# Altium PCB LPCB235R0.PcbDoc (part 1 of 7) (continued)
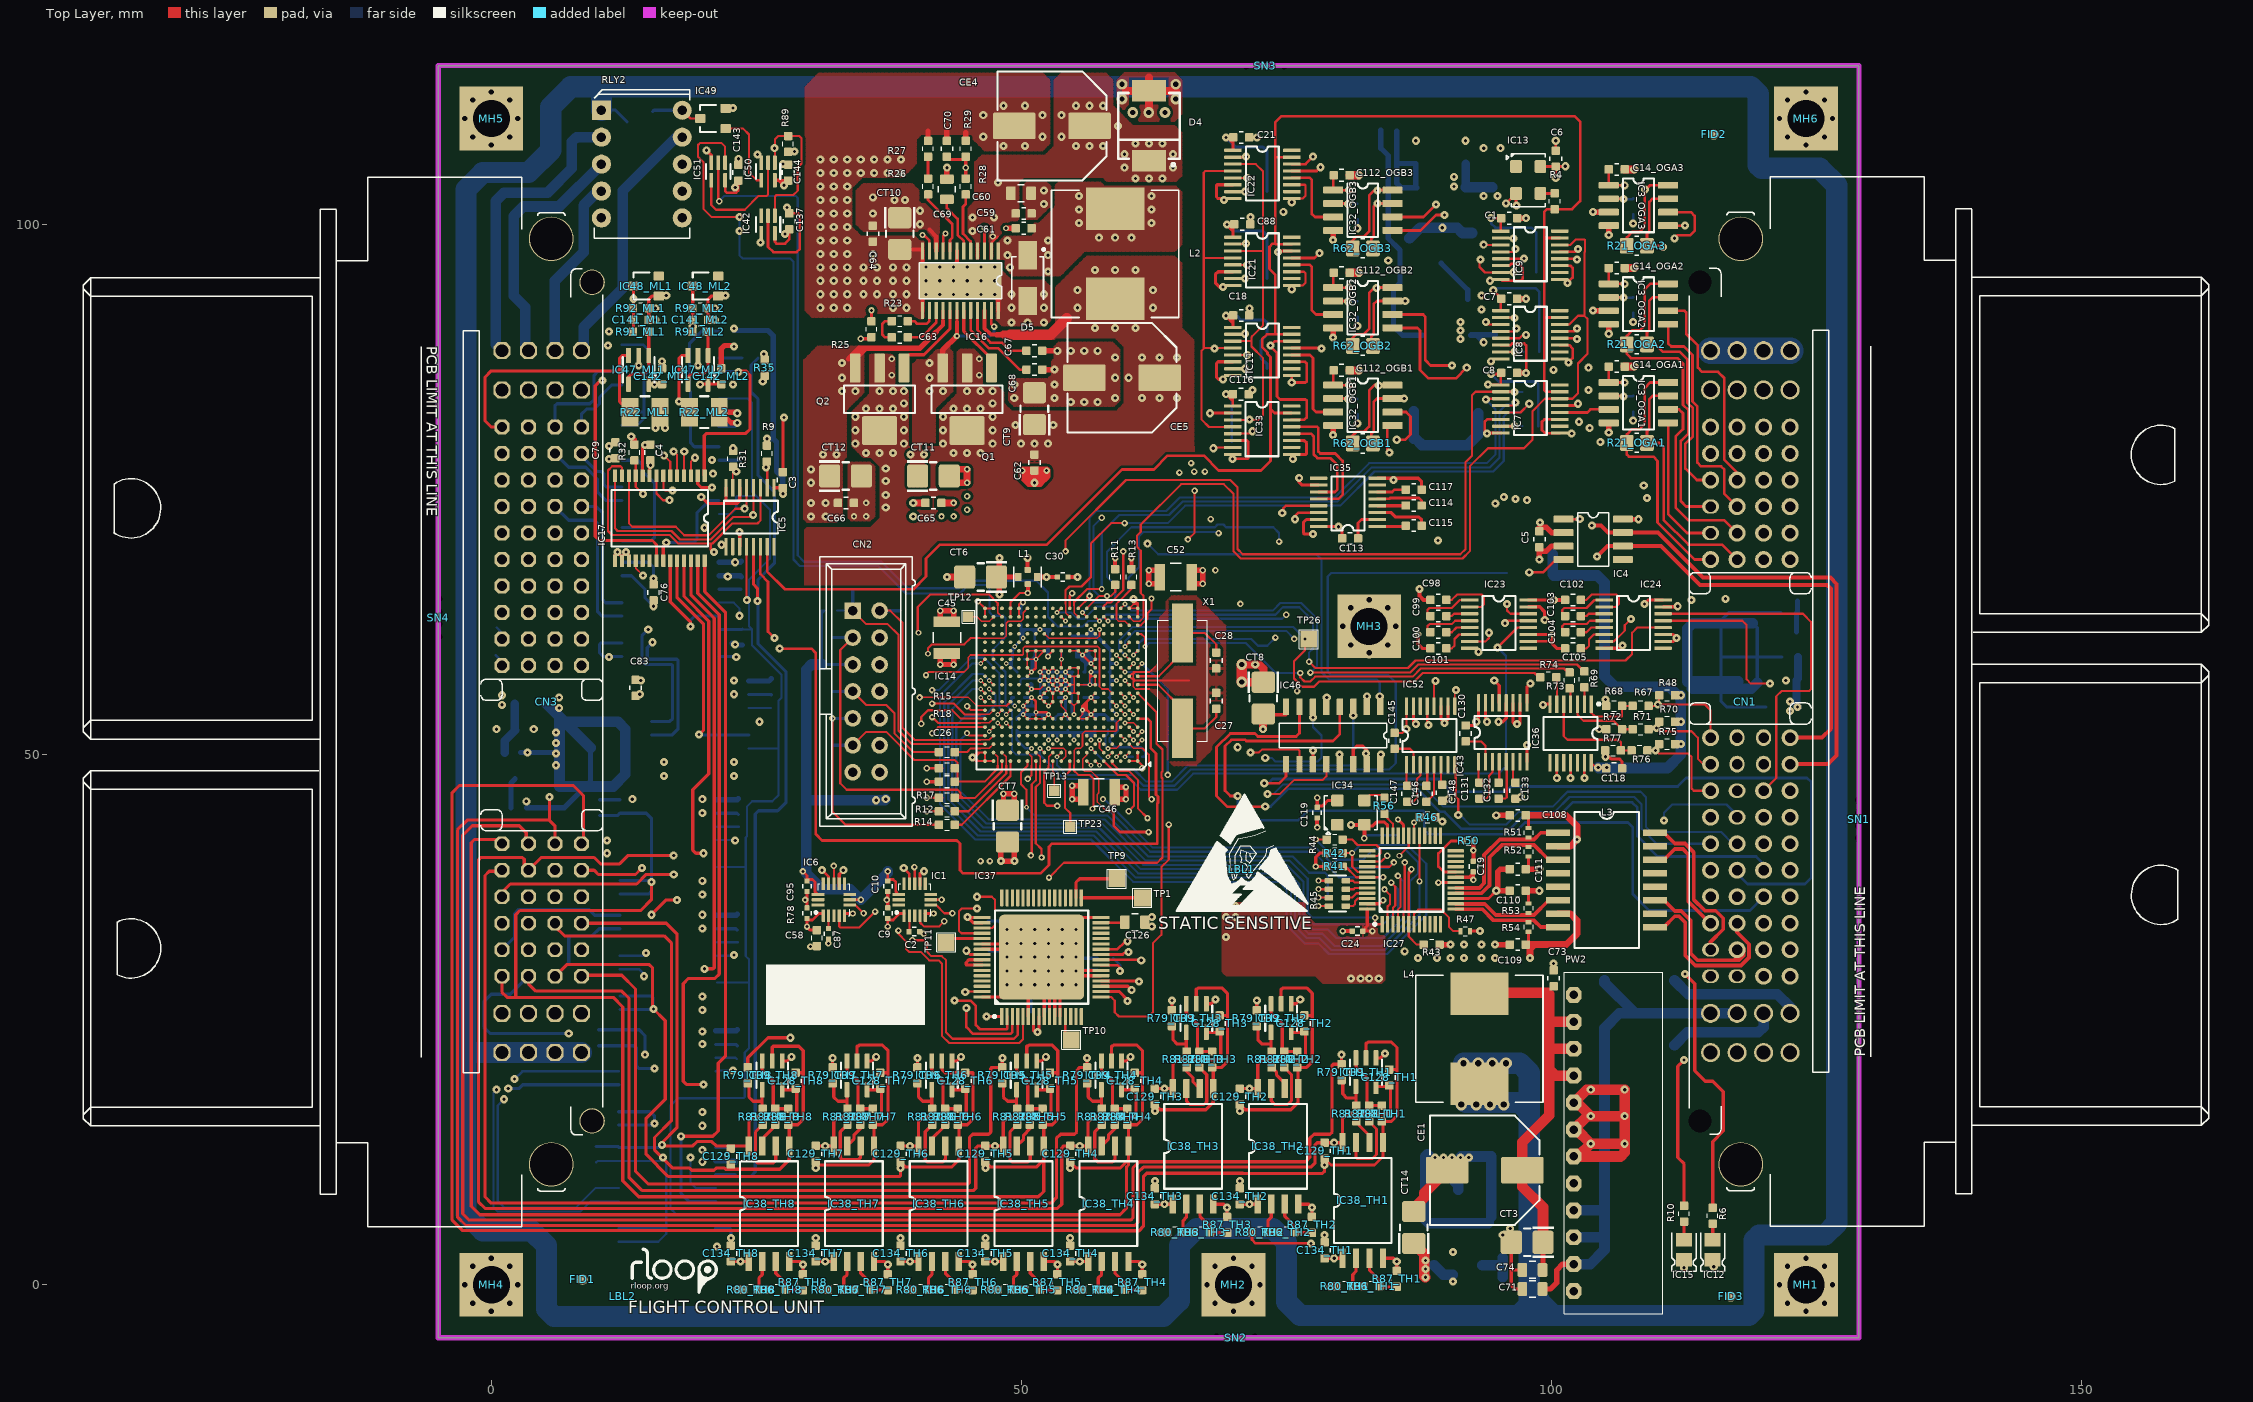
[diagram p0: Top Layer view]
## Components (designator, comment, footprint, x,y, rotation, side; value= is the part's Value field where it differs from the comment)
C1 "100nF / 50V / 10% / SMD 0603" LFP011__CC1608-0603-IPC7351_B 96,100.6 r0 top
C2 "100n / 6.3V / 10% / SMD 0402" LFP012__CC1005-0402-IPC7351_B 39.9,33.3 r0 top
C3 "100nF / 50V / 10% / SMD 0603" LFP011__CC1608-0603-IPC7351_B 27.5,75.9 r90 top
C4 "100nF / 50V / 10% / SMD 0603" LFP011__CC1608-0603-IPC7351_B 15,78.5 r90 top
C5 "100nF / 50V / 10% / SMD 0603" LFP011__CC1608-0603-IPC7351_B 98.85,70.311 r90 top
C6 "100nF / 50V / 10% / SMD 0603" LFP011__CC1608-0603-IPC7351_B 100.4,106.2 r90 top
C7 "100nF / 50V / 10% / SMD 0603" LFP011__CC1608-0603-IPC7351_B 96,93 r0 top
C8 "100nF / 50V / 10% / SMD 0603" LFP011__CC1608-0603-IPC7351_B 96,86 r0 top
C9 "100n / 6.3V / 10% / SMD 0402" LFP012__CC1005-0402-IPC7351_B 37.395,35.046 r90 top
C10 "100n / 6.3V / 10% / SMD 0402" LFP012__CC1005-0402-IPC7351_B 37.395,37.586 r270 top
C11 "100nF / 50V / 10% / SMD 0603" LFP011__CC1608-0603-IPC7351_B 87.2,106.5 r90 bottom
C12 "100nF / 50V / 10% / SMD 0603" LFP011__CC1608-0603-IPC7351_B 91.9,106.5 r90 bottom
C13 "100uF / 6.3V / X5R / 10% / SMD 1210" LFP013__CC3225-1210-IPC7351_B 94.4,105 r90 bottom
C14_OGA1 "100nF / 50V / 10% / SMD 0603" LFP011__CC1608-0603-IPC7351_B 106.15,86.6 r0 top (schematic designator C14)
C14_OGA2 "100nF / 50V / 10% / SMD 0603" LFP011__CC1608-0603-IPC7351_B 106.15,95.9 r0 top (schematic designator C14)
C14_OGA3 "100nF / 50V / 10% / SMD 0603" LFP011__CC1608-0603-IPC7351_B 106.15,105.2 r0 top (schematic designator C14)
C15 "100nF / 50V / 10% / SMD 0603" LFP011__CC1608-0603-IPC7351_B 87.8,92.2 r90 bottom
C16 "100nF / 50V / 10% / SMD 0603" LFP011__CC1608-0603-IPC7351_B 92.1,92.2 r90 bottom
C17 "100uF / 6.3V / X5R / 10% / SMD 1210" LFP013__CC3225-1210-IPC7351_B 94.7,91.1 r90 bottom
C18 "100nF / 50V / 10% / SMD 0603" LFP011__CC1608-0603-IPC7351_B 70.725,91.425 r0 top
C19 "100n / 6.3V / 10% / SMD 0402" LFP012__CC1005-0402-IPC7351_B 92.627,39.45 r90 top
C20 "100nF / 50V / 10% / SMD 0603" LFP011__CC1608-0603-IPC7351_B 95.4,3.3 r90 bottom
C21 "100nF / 50V / 10% / SMD 0603" LFP011__CC1608-0603-IPC7351_B 70.725,108.225 r0 top
C22 "100nF / 50V / 10% / SMD 0603" LFP011__CC1608-0603-IPC7351_B 23.6,89.2 r270 bottom
C23 "100nF / 50V / 10% / SMD 0603" LFP011__CC1608-0603-IPC7351_B 23.6,67.5 r270 bottom
C24 "100n / 6.3V / 10% / SMD 0402" LFP012__CC1005-0402-IPC7351_B 81.705,33.354 r180 top
C26 "10pF / 50V / 5% / SMD 0603" LFP011__CC1608-0603-IPC7351_B 42.97,47.451 r180 top
C27 "10pF / 50V / 5% / SMD 0603" LFP011__CC1608-0603-IPC7351_B 68.37,55.071 r90 top
C28 "10pF / 50V / 5% / SMD 0603" LFP011__CC1608-0603-IPC7351_B 68.37,58.881 r90 top
C29 "100n / 6.3V / 10% / SMD 0402" LFP012__CC1005-0402-IPC7351_B 52.495,60.405 r90 bottom
C30 "10nF / 25V / 5% / SMD 0402" LFP012__CC1005-0402-IPC7351_B 53.892,66.755 r0 top
C31 "100n / 6.3V / 10% / SMD 0402" LFP012__CC1005-0402-IPC7351_B 49.955,62.818 r270 bottom
C32 "100n / 6.3V / 10% / SMD 0402" LFP012__CC1005-0402-IPC7351_B 55.365,56.595 r180 bottom
C33 "100n / 6.3V / 10% / SMD 0402" LFP012__CC1005-0402-IPC7351_B 53.765,60.395 r90 bottom
C34 "100n / 6.3V / 10% / SMD 0402" LFP012__CC1005-0402-IPC7351_B 57.765,56.595 r0 bottom
C35 "100n / 6.3V / 10% / SMD 0402" LFP012__CC1005-0402-IPC7351_B 57.765,57.795 r0 bottom
C36 "100n / 6.3V / 10% / SMD 0402" LFP012__CC1005-0402-IPC7351_B 56.965,52.795 r270 bottom
C37 "100n / 6.3V / 10% / SMD 0402" LFP012__CC1005-0402-IPC7351_B 55.765,52.795 r270 bottom
C38 "100n / 6.3V / 10% / SMD 0402" LFP012__CC1005-0402-IPC7351_B 51.965,52.795 r270 bottom
C39 "100n / 6.3V / 10% / SMD 0402" LFP012__CC1005-0402-IPC7351_B 49.765,55.395 r180 bottom
C40 "100n / 6.3V / 10% / SMD 0402" LFP012__CC1005-0402-IPC7351_B 55.365,55.395 r180 bottom
C41 "100n / 6.3V / 10% / SMD 0402" LFP012__CC1005-0402-IPC7351_B 54.357,52.795 r270 bottom
C42 "100n / 6.3V / 10% / SMD 0402" LFP012__CC1005-0402-IPC7351_B 50.4,56.6 r180 bottom
C43 "100n / 6.3V / 10% / SMD 0402" LFP012__CC1005-0402-IPC7351_B 53.184,52.795 r270 bottom
C44 "100n / 6.3V / 10% / SMD 0402" LFP012__CC1005-0402-IPC7351_B 52.965,55.395 r180 bottom
C45 "100uF / 6.3V / X5R / 10% / SMD 1210" LFP013__CC3225-1210-IPC7351_B 42.97,61.04 r90 top
C46 "100uF / 6.3V / X5R / 10% / SMD 1210" LFP013__CC3225-1210-IPC7351_B 57.321,46.435 r0 top
C47 "100n / 6.3V / 10% / SMD 0402" LFP012__CC1005-0402-IPC7351_B 55.365,57.795 r180 bottom
C48 "100n / 6.3V / 10% / SMD 0402" LFP012__CC1005-0402-IPC7351_B 50.765,52.795 r270 bottom
C49 "100n / 6.3V / 10% / SMD 0402" LFP012__CC1005-0402-IPC7351_B 49.7,52.7 r270 bottom
C50 "100n / 6.3V / 10% / SMD 0402" LFP012__CC1005-0402-IPC7351_B 50.1,57.8 r180 bottom
C51 "100n / 6.3V / 10% / SMD 0402" LFP012__CC1005-0402-IPC7351_B 49.765,58.995 r180 bottom
C52 "100uF / 6.3V / X5R / 10% / SMD 1210" LFP013__CC3225-1210-IPC7351_B 64.56,66.755 r0 top
C53 "100n / 6.3V / 10% / SMD 0402" LFP012__CC1005-0402-IPC7351_B 51.265,60.395 r90 bottom
C54 "100n / 6.3V / 10% / SMD 0402" LFP012__CC1005-0402-IPC7351_B 56.365,60.395 r90 bottom
C55 "10nF / 25V / 5% / SMD 0402" LFP012__CC1005-0402-IPC7351_B 57.765,58.995 r0 bottom
C56 "10nF / 25V / 5% / SMD 0402" LFP012__CC1005-0402-IPC7351_B 57.765,55.395 r0 bottom
C57 "100n / 6.3V / 10% / SMD 0402" LFP012__CC1005-0402-IPC7351_B 55.165,60.395 r90 bottom
C58 "100n / 6.3V / 10% / SMD 0402" LFP012__CC1005-0402-IPC7351_B 29.775,35.046 r90 top
C59 "100nF / 50V / 10% / SMD 0603" LFP011__CC1608-0603-IPC7351_B 50.209,101.045 r0 top
C60 "1uF / 50V / 10% / SMD 0805" LFP010__CC2012-0805-IPC7351_B 49.955,102.95 r0 top
C61 "100nF / 50V / 10% / SMD 0603" LFP011__CC1608-0603-IPC7351_B 50.209,99.648 r180 top
C62 "100nF / 50V / 10% / SMD 0603" LFP011__CC1608-0603-IPC7351_B 51.225,77.55 r90 top
C63 "470pF / 50V / 10% / X7R / SMD 0603" LFP011__CC1608-0603-IPC7351_B 38.525,89.361 r180 top
C64 "100nF / 50V / 10% / SMD 0603" LFP011__CC1608-0603-IPC7351_B 35.985,99.14 r270 top
C65 "100nF / 50V / 10% / SMD 0603" LFP011__CC1608-0603-IPC7351_B 41.7,73.74 r0 top
C66 "100nF / 50V / 10% / SMD 0603" LFP011__CC1608-0603-IPC7351_B 33.445,73.74 r0 top
C67 "100nF / 50V / 10% / SMD 0603" LFP011__CC1608-0603-IPC7351_B 51.225,88.091 r0 top
C68 "100nF / 50V / 10% / SMD 0603" LFP011__CC1608-0603-IPC7351_B 51.225,86.313 r180 top
C69 "1uF / 50V / 10% / SMD 0805" LFP010__CC2012-0805-IPC7351_B 42.97,103.331 r90 top
C70 "1nF / 50V / 10% / SMD 0603" LFP011__CC1608-0603-IPC7351_B 42.97,107.141 r90 top
C71 "1uF / 50V / 10% / SMD 0805" LFP010__CC2012-0805-IPC7351_B 98.2,-0.4 r180 top
C72 "100nF / 50V / 10% / SMD 0603" LFP011__CC1608-0603-IPC7351_B 106.4,4.5 r0 bottom
C73 "100nF / 50V / 10% / SMD 0603" LFP011__CC1608-0603-IPC7351_B 100.2,28.9 r90 top
C74 "1uF / 50V / 10% / SMD 0805" LFP010__CC2012-0805-IPC7351_B 98.2,1.4 r180 top
C75 "100nF / 50V / 10% / SMD 0603" LFP011__CC1608-0603-IPC7351_B 10.5,89.2 r270 bottom
C76 "100nF / 50V / 10% / SMD 0603" LFP011__CC1608-0603-IPC7351_B 15.3,65.3 r270 top
C77 "100nF / 50V / 10% / SMD 0603" LFP011__CC1608-0603-IPC7351_B 23.5,78.6 r270 bottom
C78 "100nF / 50V / 10% / SMD 0603" LFP011__CC1608-0603-IPC7351_B 26.4,56.4 r270 bottom
C79 "100nF / 50V / 10% / SMD 0603" LFP011__CC1608-0603-IPC7351_B 11.7,78.7 r270 top
C80 "100nF / 50V / 10% / SMD 0603" LFP011__CC1608-0603-IPC7351_B 122.4,63.4 r180 bottom
C81 "100nF / 50V / 10% / SMD 0603" LFP011__CC1608-0603-IPC7351_B 122.5,59.2 r180 bottom
C82 "100nF / 50V / 10% / SMD 0603" LFP011__CC1608-0603-IPC7351_B 90.7,1.7 r90 bottom
C83 "100nF / 50V / 10% / SMD 0603" LFP011__CC1608-0603-IPC7351_B 13.6,56.3 r270 top
C84 "100nF / 50V / 10% / SMD 0603" LFP011__CC1608-0603-IPC7351_B 23.3,45.1 r270 bottom
C85 "100nF / 50V / 10% / SMD 0603" LFP011__CC1608-0603-IPC7351_B 23.2,23.3 r270 bottom
C86 "100nF / 50V / 10% / SMD 0603" LFP011__CC1608-0603-IPC7351_B 10.2,45 r270 bottom
C87 "100n / 6.3V / 10% / SMD 0402" LFP012__CC1005-0402-IPC7351_B 31.8,33.1 r270 top
C88 "100nF / 50V / 10% / SMD 0603" LFP011__CC1608-0603-IPC7351_B 70.825,100.025 r0 top
C89 "100n / 6.3V / 10% / SMD 0402" LFP012__CC1005-0402-IPC7351_B 85.5,42.9 r270 bottom
C90 "100nF / 50V / 10% / SMD 0603" LFP011__CC1608-0603-IPC7351_B 10.1,23.3 r270 bottom
C91 "100nF / 50V / 10% / SMD 0603" LFP011__CC1608-0603-IPC7351_B 23.2,34.2 r270 bottom
C92 "100nF / 50V / 10% / SMD 0603" LFP011__CC1608-0603-IPC7351_B 23,12.3 r270 bottom
C93 "100nF / 50V / 10% / SMD 0603" LFP011__CC1608-0603-IPC7351_B 10.3,34.1 r270 bottom
C94 "100nF / 50V / 10% / SMD 0603" LFP011__CC1608-0603-IPC7351_B 9.9,12.3 r270 bottom
C95 "100n / 6.3V / 10% / SMD 0402" LFP012__CC1005-0402-IPC7351_B 29.775,37.586 r270 top
C98 "100nF / 50V / 10% / SMD 0603" LFP011__CC1608-0603-IPC7351_B 89.325,64.596 r0 top
C99 "100nF / 50V / 10% / SMD 0603" LFP011__CC1608-0603-IPC7351_B 89.325,63.072 r0 top
C100 "100nF / 50V / 10% / SMD 0603" LFP011__CC1608-0603-IPC7351_B 89.325,61.548 r0 top
C101 "100nF / 50V / 10% / SMD 0603" LFP011__CC1608-0603-IPC7351_B 89.325,60.024 r180 top
C102 "100nF / 50V / 10% / SMD 0603" LFP011__CC1608-0603-IPC7351_B 102.025,64.596 r0 top
C103 "100nF / 50V / 10% / SMD 0603" LFP011__CC1608-0603-IPC7351_B 102.025,63.072 r0 top
C104 "100nF / 50V / 10% / SMD 0603" LFP011__CC1608-0603-IPC7351_B 102.025,61.548 r0 top
C105 "100nF / 50V / 10% / SMD 0603" LFP011__CC1608-0603-IPC7351_B 102.025,60.024 r180 top
C108 "100nF / 50V / 10% / SMD 0603" LFP011__CC1608-0603-IPC7351_B 96.818,44.276 r180 top
C109 "100nF / 50V / 10% / SMD 0603" LFP011__CC1608-0603-IPC7351_B 96.818,32.084 r180 top
C110 "100nF / 50V / 10% / SMD 0603" LFP011__CC1608-0603-IPC7351_B 96.818,37.164 r180 top
C111 "100nF / 50V / 10% / SMD 0603" LFP011__CC1608-0603-IPC7351_B 96.818,39.196 r180 top
C112_OGB1 "100nF / 50V / 10% / SMD 0603" LFP011__CC1608-0603-IPC7351_B 80.2,86.25 r0 top (schematic designator C112)
C112_OGB2 "100nF / 50V / 10% / SMD 0603" LFP011__CC1608-0603-IPC7351_B 80.2,95.45 r0 top (schematic designator C112)
C112_OGB3 "100nF / 50V / 10% / SMD 0603" LFP011__CC1608-0603-IPC7351_B 80.2,104.65 r0 top (schematic designator C112)
C113 "100nF / 50V / 10% / SMD 0603" LFP011__CC1608-0603-IPC7351_B 81,70.4 r0 top
C114 "100nF / 50V / 10% / SMD 0603" LFP011__CC1608-0603-IPC7351_B 87,73.5 r0 top
C115 "100nF / 50V / 10% / SMD 0603" LFP011__CC1608-0603-IPC7351_B 87,71.6 r0 top
C116 "100nF / 50V / 10% / SMD 0603" LFP011__CC1608-0603-IPC7351_B 70.7,84 r0 top
C117 "100nF / 50V / 10% / SMD 0603" LFP011__CC1608-0603-IPC7351_B 87,75 r0 top
C118 "100nF / 50V / 10% / SMD 0603" LFP011__CC1608-0603-IPC7351_B 105.9,48.7 r0 top
C119 "100n / 6.3V / 10% / SMD 0402" LFP012__CC1005-0402-IPC7351_B 77.895,44.53 r270 top
C120 "100nF / 50V / 10% / SMD 0603" LFP011__CC1608-0603-IPC7351_B 57.9,29.7 r180 bottom
C121 "100nF / 50V / 10% / SMD 0603" LFP011__CC1608-0603-IPC7351_B 57.9,30.8 r180 bottom
C122 "100nF / 50V / 10% / SMD 0603" LFP011__CC1608-0603-IPC7351_B 46.1,34.3 r0 bottom
C123 "100nF / 50V / 10% / SMD 0603" LFP011__CC1608-0603-IPC7351_B 46.2,31.5 r0 bottom
C124 "100nF / 50V / 10% / SMD 0603" LFP011__CC1608-0603-IPC7351_B 52.2,25 r90 bottom
C125 "100nF / 50V / 10% / SMD 0603" LFP011__CC1608-0603-IPC7351_B 50.9,25 r90 bottom
C126 "4.7uF / 25V / 10% / SMD 0805" LFP010__CC2012-0805-IPC7351_B 60.7,34.2 r180 top
C128_TH1 "1uF / 50V / 10% / SMD 0603" LFP011__CC1608-0603-IPC7351_B 84.695,19.55 r90 top (schematic designator C128)
C128_TH2 "1uF / 50V / 10% / SMD 0603" LFP011__CC1608-0603-IPC7351_B 76.695,24.65 r90 top (schematic designator C128)
C128_TH3 "1uF / 50V / 10% / SMD 0603" LFP011__CC1608-0603-IPC7351_B 68.695,24.65 r90 top (schematic designator C128)
C128_TH4 "1uF / 50V / 10% / SMD 0603" LFP011__CC1608-0603-IPC7351_B 60.695,19.25 r90 top (schematic designator C128)
C128_TH5 "1uF / 50V / 10% / SMD 0603" LFP011__CC1608-0603-IPC7351_B 52.695,19.25 r90 top (schematic designator C128)
C128_TH6 "1uF / 50V / 10% / SMD 0603" LFP011__CC1608-0603-IPC7351_B 44.695,19.25 r90 top (schematic designator C128)
C128_TH7 "1uF / 50V / 10% / SMD 0603" LFP011__CC1608-0603-IPC7351_B 36.695,19.25 r90 top (schematic designator C128)
C128_TH8 "1uF / 50V / 10% / SMD 0603" LFP011__CC1608-0603-IPC7351_B 28.695,19.25 r90 top (schematic designator C128)
C129_TH1 "100nF / 50V / 10% / SMD 0603" LFP011__CC1608-0603-IPC7351_B 78.595,12.65 r270 top (schematic designator C129)
C129_TH2 "100nF / 50V / 10% / SMD 0603" LFP011__CC1608-0603-IPC7351_B 70.595,17.75 r270 top (schematic designator C129)
C129_TH3 "100nF / 50V / 10% / SMD 0603" LFP011__CC1608-0603-IPC7351_B 62.595,17.75 r270 top (schematic designator C129)
C129_TH4 "100nF / 50V / 10% / SMD 0603" LFP011__CC1608-0603-IPC7351_B 54.595,12.35 r270 top (schematic designator C129)
C129_TH5 "100nF / 50V / 10% / SMD 0603" LFP011__CC1608-0603-IPC7351_B 46.595,12.35 r270 top (schematic designator C129)
C129_TH6 "100nF / 50V / 10% / SMD 0603" LFP011__CC1608-0603-IPC7351_B 38.595,12.35 r270 top (schematic designator C129)
C129_TH7 "100nF / 50V / 10% / SMD 0603" LFP011__CC1608-0603-IPC7351_B 30.595,12.35 r270 top (schematic designator C129)
C129_TH8 "100nF / 50V / 10% / SMD 0603" LFP011__CC1608-0603-IPC7351_B 22.6,12.1 r270 top (schematic designator C129)
C130 "100nF / 50V / 10% / SMD 0603" LFP011__CC1608-0603-IPC7351_B 91.9,52 r270 top
C131 "100nF / 50V / 10% / SMD 0603" LFP011__CC1608-0603-IPC7351_B 93.2,46.6 r270 top
C132 "100nF / 50V / 10% / SMD 0603" LFP011__CC1608-0603-IPC7351_B 95,46.6 r270 top
C133 "100nF / 50V / 10% / SMD 0603" LFP011__CC1608-0603-IPC7351_B 96.6,46.6 r270 top
C134_TH1 "100nF / 50V / 10% / SMD 0603" LFP011__CC1608-0603-IPC7351_B 78.595,3.25 r90 top (schematic designator C134)
C134_TH2 "100nF / 50V / 10% / SMD 0603" LFP011__CC1608-0603-IPC7351_B 70.595,8.35 r90 top (schematic designator C134)
C134_TH3 "100nF / 50V / 10% / SMD 0603" LFP011__CC1608-0603-IPC7351_B 62.595,8.35 r90 top (schematic designator C134)
C134_TH4 "100nF / 50V / 10% / SMD 0603" LFP011__CC1608-0603-IPC7351_B 54.595,2.95 r90 top (schematic designator C134)
C134_TH5 "100nF / 50V / 10% / SMD 0603" LFP011__CC1608-0603-IPC7351_B 46.595,2.95 r90 top (schematic designator C134)
C134_TH6 "100nF / 50V / 10% / SMD 0603" LFP011__CC1608-0603-IPC7351_B 38.595,2.95 r90 top (schematic designator C134)
C134_TH7 "100nF / 50V / 10% / SMD 0603" LFP011__CC1608-0603-IPC7351_B 30.595,2.95 r90 top (schematic designator C134)
C134_TH8 "100nF / 50V / 10% / SMD 0603" LFP011__CC1608-0603-IPC7351_B 22.595,2.95 r90 top (schematic designator C134)
C137 "100nF / 50V / 10% / SMD 0603" LFP011__CC1608-0603-IPC7351_B 28.1,100.3 r90 top
C138 "100nF / 50V / 10% / SMD 0603" LFP011__CC1608-0603-IPC7351_B 2.6,45 r0 bottom
C139 "100nF / 50V / 10% / SMD 0603" LFP011__CC1608-0603-IPC7351_B 2,50.2 r0 bottom
C140 "100nF / 50V / 10% / SMD 0603" LFP011__CC1608-0603-IPC7351_B 83.1,50.6 r180 bottom
C141_ML1 "10pF / 50V / 5% / SMD 0603" LFP011__CC1608-0603-IPC7351_B 14.1,91 r0 top (schematic designator C141)
C141_ML2 "10pF / 50V / 5% / SMD 0603" LFP011__CC1608-0603-IPC7351_B 19.7,91 r0 top (schematic designator C141)
C142_ML1 "100nF / 50V / 10% / SMD 0603" LFP011__CC1608-0603-IPC7351_B 16.1,85.7 r90 top (schematic designator C142)
C142_ML2 "100nF / 50V / 10% / SMD 0603" LFP011__CC1608-0603-IPC7351_B 21.7,85.7 r90 top (schematic designator C142)
C143 "100nF / 50V / 10% / SMD 0603" LFP011__CC1608-0603-IPC7351_B 23.3,104.9 r90 top
C144 "100nF / 50V / 10% / SMD 0603" LFP011__CC1608-0603-IPC7351_B 28,104.9 r90 top
C145 "100nF / 50V / 10% / SMD 0603" LFP011__CC1608-0603-IPC7351_B 85.2,51.3 r270 top
C146 "100nF / 50V / 10% / SMD 0603" LFP011__CC1608-0603-IPC7351_B 88.2,46.3 r270 top
C147 "100nF / 50V / 10% / SMD 0603" LFP011__CC1608-0603-IPC7351_B 86.4,46.3 r270 top
C148 "100nF / 50V / 10% / SMD 0603" LFP011__CC1608-0603-IPC7351_B 89.7,46.4 r270 top
CE1 "330uF / 35V / 20% / SMD 10x10" LFP041__NICHICON_WT_10X10 93.7,10.8 r180 top
CE4 "330uF / 35V / 20% / SMD 10x10" LFP041__NICHICON_WT_10X10 52.876,109.3 r180 top
CE5 "330uF / 35V / 20% / SMD 10x10" LFP041__NICHICON_WT_10X10 59.48,85.551 r180 top
CN1 "502225-0801" 502225-0801#1 122.5,21.9 r90 top locked
CN2 "1-1634688-4" 1-1634688-4 34.08,63.58 r270 top locked
CN3 "502225-0801" 502225-0801#2 1,88.1 r270 top locked
CT1 "22uF / 16V / 10% / SMD TC3528" LFP018__TC3528 100.1,70.4 r90 bottom
CT2 "22uF / 16V / 10% / SMD TC3528" LFP018__TC3528 3.7,54.8 r0 bottom
CT3 "22uF / 16V / 10% / SMD TC3528" LFP018__TC3528 97.7,4 r180 top
CT6 "22uF / 16V / 10% / SMD TC3528" LFP018__TC3528 46.145,66.755 r180 top
CT7 "22uF / 16V / 10% / SMD TC3528" LFP018__TC3528 48.685,43.26 r270 top
CT8 "22uF / 16V / 10% / SMD TC3528" LFP018__TC3528 72.815,55.325 r270 top
CT9 "22uF / 16V / 10% / SMD TC3528" LFP018__TC3528 51.225,82.63 r90 top
CT10 "22uF / 16V / 10% / SMD TC3528" LFP018__TC3528 38.525,99.14 r270 top
CT11 "22uF / 16V / 10% / SMD TC3528" LFP018__TC3528 41.7,76.28 r0 top
CT12 "22uF / 16V / 10% / SMD TC3528" LFP018__TC3528 33.41,76.28 r0 top
CT13 "22uF / 16V / 10% / SMD TC3528" LFP018__TC3528 121.7,54.5 r180 bottom
CT14 "22uF / 16V / 10% / SMD TC3528" LFP018__TC3528 87,5.4 r90 top
D1 "1N4148WS" LFP001__SOD-323F 85.4,110.2 r90 bottom
D2 "1N4148WS" LFP001__SOD-323F 83.9,110.3 r90 bottom
D3 "S3M-E3/57T" LFP040__DO-214AB 108.3,28.7 r0 bottom
D4 "S3M-E3/57T" LFP040__DO-214AB 62.02,109.3 r90 top
D5 "SS16" LFP039__DO-214AC 50.59,94.949 r270 top
D6 "1N4148WS" LFP001__SOD-323F 124.6,64.5 r0 bottom
D7 "1N4148WS" LFP001__SOD-323F 95.4,-0.7 r270 bottom
D9 "S3M-E3/57T" LFP040__DO-214AB 108.3,22.6 r0 bottom
D10 "BAS16" LFP021__SOT23 14,109.7 r270 bottom
D11 "1N4148WS" LFP001__SOD-323F -1,59.4 r180 bottom
D12 "1N4148WS" LFP001__SOD-323F -0.9,62 r180 bottom
D17 "1N4148WS" LFP001__SOD-323F 0.3,46.1 r180 bottom
FID1 "FIDUCIAL" LFP113__FIDUCIAL 8.6,0.5 r0 top
FID2 "FIDUCIAL" LFP113__FIDUCIAL 115.3,108.5 r0 top
FID3 "FIDUCIAL" LFP113__FIDUCIAL 116.9,-1.1 r0 top
IC1 "MMA8451QR1" LFP051__QFN16 39.935,36.316 r0 top
IC2 "NCV4274DT33RKG" LFP019__369A-13 89.6,98.9 r0 bottom
IC3_OGA1 "DS8921AMX/NOPB" LFP069__R-8G 108.2,83.2 r270 top (schematic designator IC3)
IC3_OGA2 "DS8921AMX/NOPB" LFP069__R-8G 108.2,92.5 r270 top (schematic designator IC3)
IC3_OGA3 "DS8921AMX/NOPB" LFP069__R-8G 108.2,101.8 r270 top (schematic designator IC3)
IC4 "MCP2551-I/SN" LFP017__SO-G8/Y1.9 103.93,70.311 r270 top
IC5 "SC16IS741IPW,128" LFP049__TSSOP-16 24.4,72.4 r180 top
IC6 "MMA8451QR1" LFP051__QFN16 32.315,36.316 r0 top
IC7 "SC16IS741IPW,128" LFP049__TSSOP-16 98,82.6 r270 top
IC8 "SC16IS741IPW,128" LFP049__TSSOP-16 98,89.6 r270 top
IC9 "SC16IS741IPW,128" LFP049__TSSOP-16 98,97.1 r270 top
IC10 "NCV4274ADT50RKG" LFP019__369A-13 90.1,85 r0 bottom
IC11 "SC16IS741IPW,128" LFP049__TSSOP-16 72.725,88.025 r270 top
IC12 "EL-17-21VGC/TR8" CR2012-0805-LED 115.2,3.3 r90 top
IC13 "SG5032CAN 1.843200M-TJGA3" LFP072__ASFLMB 97.8,104.2 r270 top
IC14 "RM48L950ZWTT" "LFP054__ZWT (S-PBGA-N337)" 53.765,56.595 r90 top
IC15 "EL-17-21VGC/TR8" CR2012-0805-LED 112.5,3.3 r90 top
IC16 "TPS65300QPWPRQ1" LFP036__R-PDSO-G24 44.24,94.695 r180 top
IC17 "MCP23S17-E/SS" LFP050__SSOP28 15.9,72.3 r180 top
IC18 "ISO3082DWR" LFP068__SO-G16/G6.9#1 16.9,85.5 r270 bottom
IC19 "NCV4274DT33RKG" LFP019__369A-13 118.7,59.3 r270 bottom
IC20 "NCV4274ADT50RKG" LFP019__369A-13 91.2,6.4 r180 bottom
IC21 "SC16IS741IPW,128" LFP049__TSSOP-16 72.725,96.525 r270 top
IC22 "SC16IS741IPW,128" LFP049__TSSOP-16 72.725,104.725 r270 top
IC23 "MAX3232CPWR" LFP049__TSSOP-16 95.04,62.31 r270 top
IC24 "MAX3232CPWR" LFP049__TSSOP-16 107.74,62.31 r270 top
IC25 "ISO3082DWR" LFP068__SO-G16/G6.9#2 16.9,63.7 r270 bottom
IC26 "ISO3082DWR" LFP068__SO-G16/G6.9#3 16.9,74.6 r270 bottom
IC27 "DP83640TVV/NOPB" LFP058__F-QFP7X7-G48 86.785,38.18 r0 top
IC28 "ISO3082DWR" LFP068__SO-G16/G6.9#2 19.7,52.5 r270 bottom
IC29 "ISO3082DWR" LFP068__SO-G16/G6.9#2 16.7,41.3 r270 bottom
IC30 "ISO3082DWR" LFP068__SO-G16/G6.9#2 16.6,19.5 r270 bottom
IC31 "ISO3082DWR" LFP068__SO-G16/G6.9#2 16.7,30.4 r270 bottom
IC32_OGB1 "DS8921AMX/NOPB" LFP069__R-8G 82.2,82.95 r270 top (schematic designator IC32)
IC32_OGB2 "DS8921AMX/NOPB" LFP069__R-8G 82.2,92.15 r270 top (schematic designator IC32)
IC32_OGB3 "DS8921AMX/NOPB" LFP069__R-8G 82.2,101.35 r270 top (schematic designator IC32)
IC33 "SC16IS741IPW,128" LFP049__TSSOP-16 72.7,80.6 r270 top
IC34 "ASFLMB-25.000MHZ-LR-T" LFP072__ASFLMB 81.07,44.53 r0 top
IC35 "MAX3232CPWR" LFP049__TSSOP-16 80.8,73.8 r90 top
IC36 "SN74HC14PW" PW014 101.8,52 r180 top
IC37 "AMC7812BSPAP" LFP134__H-QFP10X10-64N 51.9,30.9 r0 top
IC38_TH1 "AMC1100DWV" LFP150__DWV0008A 82.195,7.95 r0 top (schematic designator IC38)
IC38_TH2 "AMC1100DWV" LFP150__DWV0008A 74.195,13.05 r0 top (schematic designator IC38)
IC38_TH3 "AMC1100DWV" LFP150__DWV0008A 66.195,13.05 r0 top (schematic designator IC38)
IC38_TH4 "AMC1100DWV" LFP150__DWV0008A 58.195,7.65 r0 top (schematic designator IC38)
IC38_TH5 "AMC1100DWV" LFP150__DWV0008A 50.195,7.65 r0 top (schematic designator IC38)
IC38_TH6 "AMC1100DWV" LFP150__DWV0008A 42.195,7.65 r0 top (schematic designator IC38)
IC38_TH7 "AMC1100DWV" LFP150__DWV0008A 34.195,7.65 r0 top (schematic designator IC38)
IC38_TH8 "AMC1100DWV" LFP150__DWV0008A 26.195,7.65 r0 top (schematic designator IC38)
IC39_TH1 "OPA365AIDBVR" LFP114__R-PDSO-G5 82.495,20.05 r180 top (schematic designator IC39)
IC39_TH2 "OPA365AIDBVR" LFP114__R-PDSO-G5 74.495,25.15 r180 top (schematic designator IC39)
IC39_TH3 "OPA365AIDBVR" LFP114__R-PDSO-G5 66.495,25.15 r180 top (schematic designator IC39)
IC39_TH4 "OPA365AIDBVR" LFP114__R-PDSO-G5 58.495,19.75 r180 top (schematic designator IC39)
IC39_TH5 "OPA365AIDBVR" LFP114__R-PDSO-G5 50.495,19.75 r180 top (schematic designator IC39)
IC39_TH6 "OPA365AIDBVR" LFP114__R-PDSO-G5 42.495,19.75 r180 top (schematic designator IC39)
IC39_TH7 "OPA365AIDBVR" LFP114__R-PDSO-G5 34.495,19.75 r180 top (schematic designator IC39)
IC39_TH8 "OPA365AIDBVR" LFP114__R-PDSO-G5 26.495,19.75 r180 top (schematic designator IC39)
IC40 "ISO3082DWR" LFP068__SO-G16/G6.9#2 16.6,8.5 r270 bottom
IC42 "MAX6814XK+T" LFP047__SOT353 26.1,100 r180 top
IC43 "MAX3232CPWR" LFP049__TSSOP-16 95.4,52.1 r0 top
IC45 "NCV4274DT33RKG" LFP019__369A-13 6.8,50 r90 bottom
IC46 "SN74HCT157DR" LFP079__SOP16 79.4,51.8 r180 top
IC47_ML1 "OPA365AIDBVR" LFP114__R-PDSO-G5 13.9,86.3 r180 top (schematic designator IC47)
IC47_ML2 "OPA365AIDBVR" LFP114__R-PDSO-G5 19.5,86.3 r180 top (schematic designator IC47)
IC48_ML1 "BZX84C3V6LT1G" LFP021__SOT23 14.6,94.2 r90 top (schematic designator IC48)
IC48_ML2 "BZX84C3V6LT1G" LFP021__SOT23 20.2,94.2 r90 top (schematic designator IC48)
IC49 "NUD3124LT1G" LFP021__SOT23 20.9,110 r90 top
IC50 "74LVC1G32GW,125" LFP047__SOT353 26.1,105 r180 top
IC51 "74LVC1G32GW,125" LFP047__SOT353 21.4,105 r180 top
IC52 "MAX3232CPWR" LFP049__TSSOP-16 88.6,51.8 r0 top
L1 "NFM21PC474R1C3D" LFP117__NFM21P 50.59,66.755 r0 top
L2 "MSS1278T-103MLB" LFP037__MSS1278T 58.845,97.235 r270 top
L3 "H2019FNLT" LFP076__H2019NL 105.2,38.18 r270 top
L4 "MSS1278T-103MLB" LFP037__MSS1278T 93.2,23.2 r270 top
LBL1 "STATIC LABEL" STATIC_LABEL 70.8,39.2 r0 top
LBL2 "RLOOP_LOGO" RLOOP_LOGO 12.4,-1.1 r0 top
MH1 "MOUNTING_HOLE_3MM_SQ" MOUNTING_HOLE_3MM_SQ 124,0 r0 top locked
MH2 "MOUNTING_HOLE_3MM_SQ" MOUNTING_HOLE_3MM_SQ 70,0 r0 top locked
MH3 "MOUNTING_HOLE_3MM_SQ" MOUNTING_HOLE_3MM_SQ 82.8,62.1 r0 top
MH4 "MOUNTING_HOLE_3MM_SQ" MOUNTING_HOLE_3MM_SQ 0,0 r0 top locked
MH5 "MOUNTING_HOLE_3MM_SQ" MOUNTING_HOLE_3MM_SQ 0,110 r0 top locked
MH6 "MOUNTING_HOLE_3MM_SQ" MOUNTING_HOLE_3MM_SQ 124,110 r0 top locked
PW2 "R-6212P" R-625.0P 102.1,-0.6 r90 top
Q1 "PBSS4021NZ,115" LFP038__SOT223-4M 44.875,83.519 r180 top
Q2 "PBSS4021NZ,115" LFP038__SOT223-4M 36.62,83.519 r180 top
R1 "10K / 0.1W / 1% / SMD 0603" LFP020__CR1608-0603-IPC7351_B 98,84.2 r0 bottom
R2 "10K / 0.1W / 1% / SMD 0603" LFP020__CR1608-0603-IPC7351_B 98,81 r0 bottom
R3 "121R / 0.33W / 1% / SMD 1210" LFP028__CR3225-1210 105,71.1 r270 bottom
R4 "47R / 0.1W / 1% / SMD 0603" LFP020__CR1608-0603-IPC7351_B 100.3,102.2 r270 top
R5 "2.2K / 0.1W / 1% / SMD 0603" LFP020__CR1608-0603-IPC7351_B 96.6,67.2 r0 bottom
R6 "2.2K / 0.1W / 1% / SMD 0603" LFP020__CR1608-0603-IPC7351_B 115.2,6.5 r90 top
R7 "10K / 0.1W / 1% / SMD 0603" LFP020__CR1608-0603-IPC7351_B 98,91.2 r0 bottom
R8 "10K / 0.1W / 1% / SMD 0603" LFP020__CR1608-0603-IPC7351_B 98.1,88 r0 bottom
R9 "10K / 0.1W / 1% / SMD 0603" LFP020__CR1608-0603-IPC7351_B 26,78.4 r90 top
R10 "2.2K / 0.1W / 1% / SMD 0603" LFP020__CR1608-0603-IPC7351_B 112.5,6.7 r90 top
R11 "4K7 / 0.1W / 1% / SMD 0603" LFP020__CR1608-0603-IPC7351_B 58.845,66.755 r90 top
R12 "10K / 0.1W / 1% / SMD 0603" LFP020__CR1608-0603-IPC7351_B 42.97,44.657 r0 top
R13 "47R / 0.1W / 1% / SMD 0603" LFP020__CR1608-0603-IPC7351_B 60.369,66.755 r90 top
R14 "47R / 0.1W / 1% / SMD 0603" LFP020__CR1608-0603-IPC7351_B 42.97,43.387 r180 top
R15 "47R / 0.1W / 1% / SMD 0603" LFP020__CR1608-0603-IPC7351_B 42.97,50.245 r180 top
R16 "10K / 0.1W / 1% / SMD 0603" LFP020__CR1608-0603-IPC7351_B 31.9,63.6 r180 bottom
R17 "10K / 0.1W / 1% / SMD 0603" LFP020__CR1608-0603-IPC7351_B 42.97,45.927 r180 top
R18 "10K / 0.1W / 1% / SMD 0603" LFP020__CR1608-0603-IPC7351_B 42.97,48.721 r180 top
R19 "10K / 0.1W / 1% / SMD 0603" LFP020__CR1608-0603-IPC7351_B 97.8,98.7 r0 bottom
R20 "10K / 0.1W / 1% / SMD 0603" LFP020__CR1608-0603-IPC7351_B 97.8,95.5 r0 bottom
R21_OGA1 "120R / 0.25W / SMD 0805" LFP029__CR2012-0805 108.05,79.4 r0 top (schematic designator R21)
R21_OGA2 "120R / 0.25W / SMD 0805" LFP029__CR2012-0805 108.05,88.7 r0 top (schematic designator R21)
R21_OGA3 "120R / 0.25W / SMD 0805" LFP029__CR2012-0805 108.05,98 r0 top (schematic designator R21)
R22_ML1 "162R / 0.33W / 1% / SMD 1210" LFP028__CR3225-1210 14.5,82.3 r180 top (schematic designator R22)
R22_ML2 "162R / 0.33W / 1% / SMD 1210" LFP028__CR3225-1210 20.1,82.3 r180 top (schematic designator R22)
R23 "30K / 0.1W / 1% / SMD 0603" LFP020__CR1608-0603-IPC7351_B 38.525,90.885 r180 top
R24 "10K / 0.1W / 1% / SMD 0603" LFP020__CR1608-0603-IPC7351_B 45.637,89.488 r0 bottom
R25 "10K / 0.1W / 1% / SMD 0603" LFP020__CR1608-0603-IPC7351_B 35.858,90.123 r90 top
R26 "30K / 0.1W / 1% / SMD 0603" LFP020__CR1608-0603-IPC7351_B 41.192,103.585 r270 top
R27 "18K / 0.1W / 1% / SMD 0603" LFP020__CR1608-0603-IPC7351_B 41.192,107.141 r270 top
R28 "30K / 0.1W / 1% / SMD 0603" LFP020__CR1608-0603-IPC7351_B 44.748,103.585 r270 top
R29 "5K6 / 0.1W / 1% / SMD 0603" LFP020__CR1608-0603-IPC7351_B 44.748,107.141 r270 top
R30 "10K / 0.1W / 1% / SMD 0603" LFP020__CR1608-0603-IPC7351_B 23.7,61.1 r90 bottom
R31 "10K / 0.1W / 1% / SMD 0603" LFP020__CR1608-0603-IPC7351_B 22.8,77.9 r90 top
R32 "10K / 0.1W / 1% / SMD 0603" LFP020__CR1608-0603-IPC7351_B 13.5,78.5 r90 top
R33 "1K0 / 0.063W / 1% / SMD 0603" LFP020__CR1608-0603-IPC7351_B 24.4,87.4 r180 bottom
R34 "1K0 / 0.063W / 1% / SMD 0603" LFP020__CR1608-0603-IPC7351_B 24.3,65.6 r180 bottom
R35 "1K0 / 0.063W / 1% / SMD 0603" LFP020__CR1608-0603-IPC7351_B 25.8,86.5 r270 top
R36 "1K0 / 0.063W / 1% / SMD 0603" LFP020__CR1608-0603-IPC7351_B 27.1,54.4 r180 bottom
R37 "1K0 / 0.063W / 1% / SMD 0603" LFP020__CR1608-0603-IPC7351_B 24.1,43.2 r180 bottom
R38 "1K0 / 0.063W / 1% / SMD 0603" LFP020__CR1608-0603-IPC7351_B 23.9,21.3 r180 bottom
R39_OGA1 "2.2K / 0.1W / 1% / SMD 0603" LFP020__CR1608-0603-IPC7351_B 107.7,83.1 r90 bottom (schematic designator R39)
R39_OGA2 "2.2K / 0.1W / 1% / SMD 0603" LFP020__CR1608-0603-IPC7351_B 107.7,92.4 r90 bottom (schematic designator R39)
R39_OGA3 "2.2K / 0.1W / 1% / SMD 0603" LFP020__CR1608-0603-IPC7351_B 107.7,101.7 r90 bottom (schematic designator R39)
R40 "10K / 0.1W / 1% / SMD 0603" LFP020__CR1608-0603-IPC7351_B 72.425,89.625 r0 bottom
R41 "2.2K / 0.1W / 1% / SMD 0603" LFP020__CR1608-0603-IPC7351_B 79.546,39.45 r180 top
R42 "2.2K / 0.1W / 1% / SMD 0603" LFP020__CR1608-0603-IPC7351_B 79.546,40.72 r180 top
R43 "2.2K / 0.1W / 1% / SMD 0603" LFP020__CR1608-0603-IPC7351_B 88.69,32.084 r0 top
R44 "47R / 0.1W / 1% / SMD 0603" LFP020__CR1608-0603-IPC7351_B 79.546,41.99 r0 top
R45 "49.9R ARRAY / 0.063W / 1% / SMD 0603" LFP065__RESPACK4-0603 79.8,36.91 r270 top
R46 "2.2K / 0.1W / 1% / SMD 0603" LFP020__CR1608-0603-IPC7351_B 88.3,44.1 r180 top
R47 "10K / 0.0625W / 1% / SMD 0402" LFP030__CR1005-0402-IPC7351 91.865,33.354 r180 top
R48 "2.2K / 0.1W / 1% / SMD 0603" LFP020__CR1608-0603-IPC7351_B 110.9,55.6 r0 top
R49 "1K0 / 0.063W / 1% / SMD 0603" LFP020__CR1608-0603-IPC7351_B 24,32.3 r180 bottom
R50 "4.75K / 0.06W / 1% / SMD 0402" LFP030__CR1005-0402-IPC7351 92.17,41.863 r180 top
R51 "49.9R / 0.06W / 0.5% / SMD 0402" LFP030__CR1005-0402-IPC7351 97.834,42.625 r270 top
R52 "49.9R / 0.06W / 0.5% / SMD 0402" LFP030__CR1005-0402-IPC7351 97.834,40.847 r270 top
R53 "49.9R / 0.06W / 0.5% / SMD 0402" LFP030__CR1005-0402-IPC7351 97.834,35.513 r270 top
R54 "49.9R / 0.06W / 0.5% / SMD 0402" LFP030__CR1005-0402-IPC7351 97.834,33.735 r270 top
R55 "10K / 0.1W / 1% / SMD 0603" LFP020__CR1608-0603-IPC7351_B 72.425,86.425 r0 bottom
R56 "47R / 0.1W / 1% / SMD 0603" LFP020__CR1608-0603-IPC7351_B 84.245,45.165 r270 top
R57 "1K0 / 0.063W / 1% / SMD 0603" LFP020__CR1608-0603-IPC7351_B 23.8,10.3 r180 bottom
R58 "10K / 0.1W / 1% / SMD 0603" LFP020__CR1608-0603-IPC7351_B 72.425,98.125 r0 bottom
R59 "10K / 0.1W / 1% / SMD 0603" LFP020__CR1608-0603-IPC7351_B 72.425,94.925 r0 bottom
R60 "10K / 0.1W / 1% / SMD 0603" LFP020__CR1608-0603-IPC7351_B 72.425,106.325 r0 bottom
R61 "10K / 0.1W / 1% / SMD 0603" LFP020__CR1608-0603-IPC7351_B 72.425,103.125 r0 bottom
R62_OGB1 "120R / 0.25W / SMD 0805" LFP029__CR2012-0805 82.2,79.35 r0 top (schematic designator R62)
R62_OGB2 "120R / 0.25W / SMD 0805" LFP029__CR2012-0805 82.2,88.55 r0 top (schematic designator R62)
R62_OGB3 "120R / 0.25W / SMD 0805" LFP029__CR2012-0805 82.2,97.75 r0 top (schematic designator R62)
R63_OGB1 "2.2K / 0.1W / 1% / SMD 0603" LFP020__CR1608-0603-IPC7351_B 81.5,82.9 r90 bottom (schematic designator R63)
R63_OGB2 "2.2K / 0.1W / 1% / SMD 0603" LFP020__CR1608-0603-IPC7351_B 81.5,92.1 r90 bottom (schematic designator R63)
R63_OGB3 "2.2K / 0.1W / 1% / SMD 0603" LFP020__CR1608-0603-IPC7351_B 81.5,101.3 r90 bottom (schematic designator R63)
R64 "10K / 0.1W / 1% / SMD 0603" LFP020__CR1608-0603-IPC7351_B 69.1,82.225 r0 bottom
R65 "10K / 0.1W / 1% / SMD 0603" LFP020__CR1608-0603-IPC7351_B 69.1,79.5 r0 bottom
R67 "2.2K / 0.1W / 1% / SMD 0603" LFP020__CR1608-0603-IPC7351_B 108.4,54.6 r180 top
R68 "330R / 0.100W / 1% / SMD 0603" LFP020__CR1608-0603-IPC7351_B 105.9,54.6 r0 top
R69 "2.2K / 0.1W / 1% / SMD 0603" LFP020__CR1608-0603-IPC7351_B 103.1,57.1 r270 top
R70 "2.2K / 0.1W / 1% / SMD 0603" LFP020__CR1608-0603-IPC7351_B 110.9,53.1 r0 top
R71 "2.2K / 0.1W / 1% / SMD 0603" LFP020__CR1608-0603-IPC7351_B 108.4,52.4 r180 top
R72 "330R / 0.100W / 1% / SMD 0603" LFP020__CR1608-0603-IPC7351_B 105.9,52.4 r0 top
R73 "2.2K / 0.1W / 1% / SMD 0603" LFP020__CR1608-0603-IPC7351_B 101.7,57 r270 top